# KiCad board B1_panel.kicad_pcb (continued)
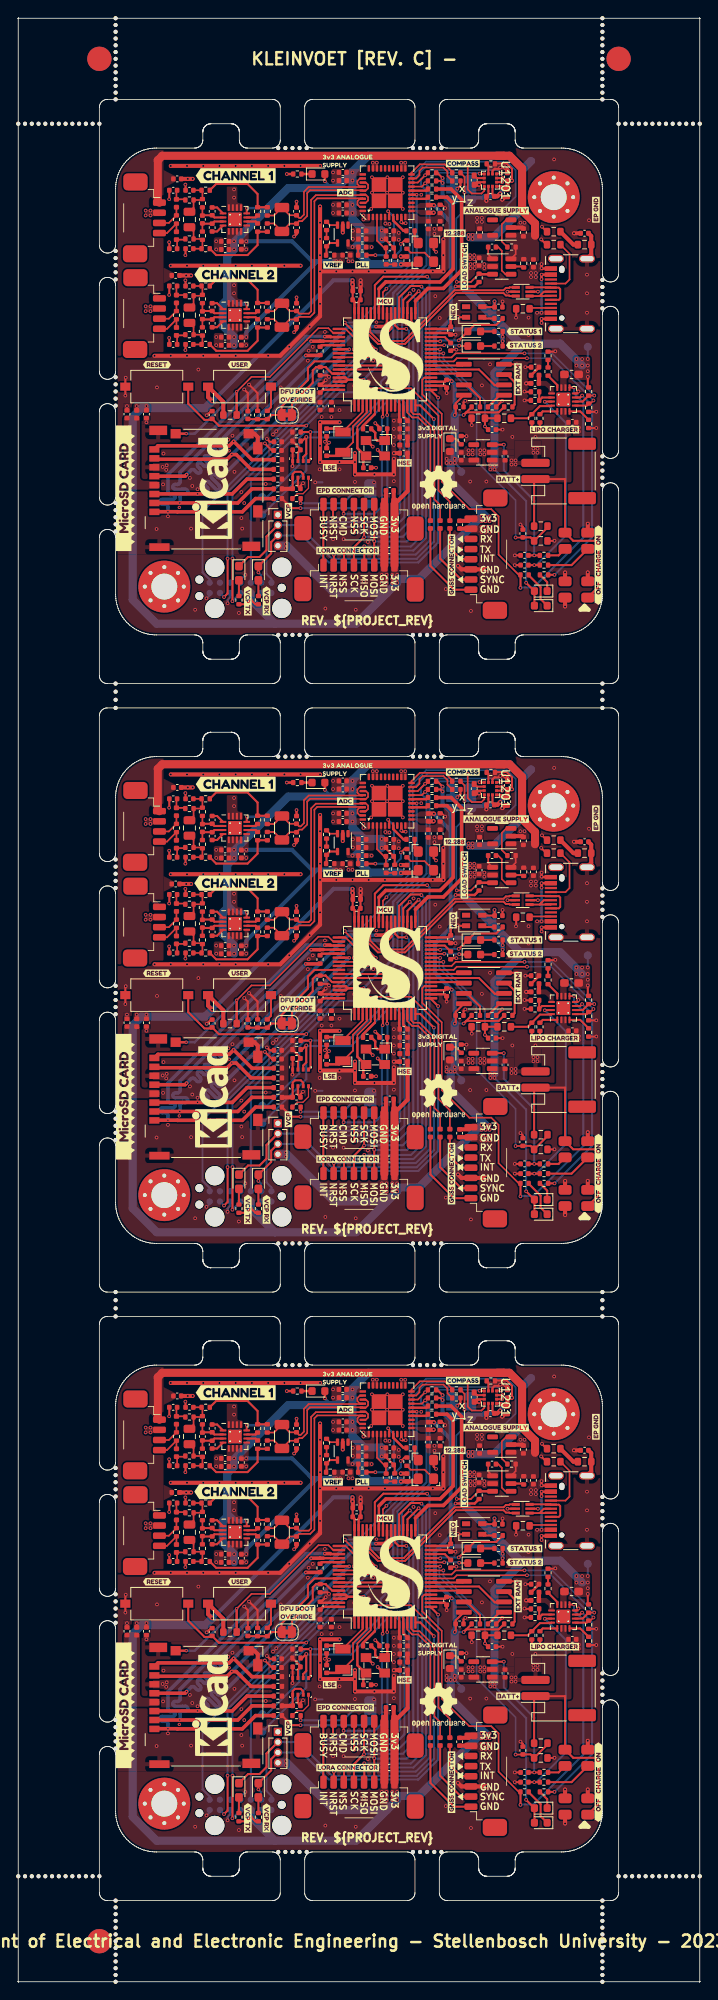
[diagram p0: board, top side]
## Placement (name value [footprint] x y rotation side) (continued)
J601#3  Sensor_conn  [Connector_Amphenol_10114828-xxx04LF_Vertical]  13 55.6 270 top
JP101  Boot_sel  [SolderJumper-2_P1.3mm_Bridged_RoundedPad1.0x1.5mm]  33.1 193.1 180 top
JP101#2  Boot_sel  [SolderJumper-2_P1.3mm_Bridged_RoundedPad1.0x1.5mm]  33.1 118.1 180 top
JP101#3  Boot_sel  [SolderJumper-2_P1.3mm_Bridged_RoundedPad1.0x1.5mm]  33.1 43.1 180 top
JP401  ADDR1  [SolderJumper-3_P1.3mm_Bridged12_RoundedPad1.0x1.5mm_NumberLabels]  55.7 70.9 270 bottom
JP401#2  ADDR1  [SolderJumper-3_P1.3mm_Bridged12_RoundedPad1.0x1.5mm_NumberLabels]  55.7 145.9 270 bottom
JP401#3  ADDR1  [SolderJumper-3_P1.3mm_Bridged12_RoundedPad1.0x1.5mm_NumberLabels]  55.7 220.9 270 bottom
JP402  ADDR0  [SolderJumper-3_P1.3mm_Bridged12_RoundedPad1.0x1.5mm_NumberLabels]  53.5 145.9 270 bottom
JP402#2  ADDR0  [SolderJumper-3_P1.3mm_Bridged12_RoundedPad1.0x1.5mm_NumberLabels]  53.5 70.9 270 bottom
JP402#3  ADDR0  [SolderJumper-3_P1.3mm_Bridged12_RoundedPad1.0x1.5mm_NumberLabels]  53.5 220.9 270 bottom
JP1401  ADDR0  [SolderJumper-3_P1.3mm_Bridged12_RoundedPad1.0x1.5mm_NumberLabels]  43.4 108.4 270 bottom
JP1401#2  ADDR0  [SolderJumper-3_P1.3mm_Bridged12_RoundedPad1.0x1.5mm_NumberLabels]  43.4 183.4 270 bottom
JP1401#3  ADDR0  [SolderJumper-3_P1.3mm_Bridged12_RoundedPad1.0x1.5mm_NumberLabels]  43.4 33.4 270 bottom
kibuzzard-644FCAF5  G***  [kibuzzard-644FCAF5]  13 34.07 90 top
kibuzzard-644FCAF5#2  G***  [kibuzzard-644FCAF5]  13 184.07 90 top
kibuzzard-644FCAF5#3  G***  [kibuzzard-644FCAF5]  13 109.07 90 top
kibuzzard-644FCBD8  G***  [kibuzzard-644FCBD8]  17.1 49.3 0 top
kibuzzard-644FCBD8#2  G***  [kibuzzard-644FCBD8]  17.1 199.3 0 top
kibuzzard-644FCBD8#3  G***  [kibuzzard-644FCBD8]  17.1 124.3 0 top
kibuzzard-644FCBE4  G***  [kibuzzard-644FCBE4]  27.3 124.3 0 top
kibuzzard-644FCBE4#2  G***  [kibuzzard-644FCBE4]  27.3 49.3 0 top
kibuzzard-644FCBE4#3  G***  [kibuzzard-644FCBE4]  27.3 199.3 0 top
kibuzzard-644FCC8B  G***  [kibuzzard-644FCC8B]  26.8 72.6 0 top
kibuzzard-644FCC8B#2  G***  [kibuzzard-644FCC8B]  26.8 222.6 0 top
kibuzzard-644FCC8B#3  G***  [kibuzzard-644FCC8B]  26.8 147.6 0 top
kibuzzard-644FCC84  G***  [kibuzzard-644FCC84]  26.8 135.4 0 top
kibuzzard-644FCC84#2  G***  [kibuzzard-644FCC84]  26.8 60.4 0 top
kibuzzard-644FCC84#3  G***  [kibuzzard-644FCC84]  26.8 210.4 0 top
kibuzzard-644FCCE7  G***  [kibuzzard-644FCCE7]  40.6 176.4 0 top
kibuzzard-644FCCE7#2  G***  [kibuzzard-644FCCE7]  40.6 26.4 0 top
kibuzzard-644FCCE7#3  G***  [kibuzzard-644FCCE7]  40.6 101.4 0 top
kibuzzard-644FCD06  G***  [kibuzzard-644FCD06]  40.3 183.8 0 top
kibuzzard-644FCD06#2  G***  [kibuzzard-644FCD06]  40.3 33.8 0 top
kibuzzard-644FCD06#3  G***  [kibuzzard-644FCD06]  40.3 108.8 0 top
kibuzzard-644FCD18  G***  [kibuzzard-644FCD18]  53.4 99.6 90 top
kibuzzard-644FCD18#2  G***  [kibuzzard-644FCD18]  53.4 174.6 90 top
kibuzzard-644FCD18#3  G***  [kibuzzard-644FCD18]  53.4 24.6 90 top
kibuzzard-644FCD41  G***  [kibuzzard-644FCD41]  34.4 195.5 0 top
kibuzzard-644FCD41#2  G***  [kibuzzard-644FCD41]  34.4 45.5 0 top
kibuzzard-644FCD41#3  G***  [kibuzzard-644FCD41]  34.4 120.5 0 top
kibuzzard-644FCF30  G***  [kibuzzard-644FCF30]  28.4 19.2 180 bottom
kibuzzard-644FCF30#2  G***  [kibuzzard-644FCF30]  28.4 94.2 180 bottom
kibuzzard-644FCF30#3  G***  [kibuzzard-644FCF30]  28.4 169.2 180 bottom
kibuzzard-644FCFAB  G***  [kibuzzard-644FCFAB]  54.6 224 180 bottom
kibuzzard-644FCFAB#2  G***  [kibuzzard-644FCFAB]  54.6 149 180 bottom
kibuzzard-644FCFAB#3  G***  [kibuzzard-644FCFAB]  54.6 74 180 bottom
kibuzzard-644FD0BF  G***  [kibuzzard-644FD0BF]  26.88 105.82 180 bottom
kibuzzard-644FD0BF#2  G***  [kibuzzard-644FD0BF]  26.88 30.82 180 bottom
kibuzzard-644FD0BF#3  G***  [kibuzzard-644FD0BF]  26.88 180.82 180 bottom
kibuzzard-644FD0EC  G***  [kibuzzard-644FD0EC]  26.95 32.97 180 bottom
kibuzzard-644FD0EC#2  G***  [kibuzzard-644FD0EC]  26.95 107.97 180 bottom
kibuzzard-644FD0EC#3  G***  [kibuzzard-644FD0EC]  26.95 182.97 180 bottom
kibuzzard-644FD1C9  G***  [kibuzzard-644FD1C9]  50.7 186.1 180 bottom
kibuzzard-644FD1C9#2  G***  [kibuzzard-644FD1C9]  50.7 36.1 180 bottom
kibuzzard-644FD1C9#3  G***  [kibuzzard-644FD1C9]  50.7 111.1 180 bottom
kibuzzard-644FD1E4  G***  [kibuzzard-644FD1E4]  58.6 225.1 180 bottom
kibuzzard-644FD1E4#2  G***  [kibuzzard-644FD1E4]  58.6 150.1 180 bottom
kibuzzard-644FD1E4#3  G***  [kibuzzard-644FD1E4]  58.6 75.1 180 bottom
kibuzzard-644FD2E5  G***  [kibuzzard-644FD2E5]  68.15 208.05 90 bottom
kibuzzard-644FD2E5#2  G***  [kibuzzard-644FD2E5]  68.15 58.05 90 bottom
kibuzzard-644FD2E5#3  G***  [kibuzzard-644FD2E5]  68.15 133.05 90 bottom
kibuzzard-644FD9A3  G***  [kibuzzard-644FD9A3]  53.6 55.8 90 top
kibuzzard-644FD9A3#2  G***  [kibuzzard-644FD9A3]  53.6 130.8 90 top
kibuzzard-644FD9A3#3  G***  [kibuzzard-644FD9A3]  53.6 205.8 90 top
kibuzzard-644FD9EF  G***  [kibuzzard-644FD9EF]  51.7 191 0 top
kibuzzard-644FD9EF#2  G***  [kibuzzard-644FD9EF]  51.7 116 0 top
kibuzzard-644FD9EF#3  G***  [kibuzzard-644FD9EF]  51.7 41 0 top
kibuzzard-644FD28D  G***  [kibuzzard-644FD28D]  70 111.3 90 bottom
kibuzzard-644FD28D#2  G***  [kibuzzard-644FD28D]  70 36.3 90 bottom
kibuzzard-644FD28D#3  G***  [kibuzzard-644FD28D]  70 186.3 90 bottom
kibuzzard-644FD32B  G***  [kibuzzard-644FD32B]  65.95 208.05 90 bottom
kibuzzard-644FD32B#2  G***  [kibuzzard-644FD32B]  65.95 58.05 90 bottom
kibuzzard-644FD32B#3  G***  [kibuzzard-644FD32B]  65.95 133.05 90 bottom
kibuzzard-644FD75C  G***  [kibuzzard-644FD75C]  64.6 174.6 180 bottom
kibuzzard-644FD75C#2  G***  [kibuzzard-644FD75C]  64.6 24.6 180 bottom
kibuzzard-644FD75C#3  G***  [kibuzzard-644FD75C]  64.6 99.6 180 bottom
kibuzzard-644FD84A  G***  [kibuzzard-644FD84A]  60.4 185.2 0 top
kibuzzard-644FD84A#2  G***  [kibuzzard-644FD84A]  60.4 110.2 0 top
kibuzzard-644FD84A#3  G***  [kibuzzard-644FD84A]  60.4 35.2 0 top
kibuzzard-644FD97C  G***  [kibuzzard-644FD97C]  62.4 51.7 0 top
kibuzzard-644FD97C#2  G***  [kibuzzard-644FD97C]  62.4 201.7 0 top
kibuzzard-644FD97C#3  G***  [kibuzzard-644FD97C]  62.4 126.7 0 top
kibuzzard-644FD164  G***  [kibuzzard-644FD164]  48.49 33.37 180 bottom
kibuzzard-644FD164#2  G***  [kibuzzard-644FD164]  48.49 108.37 180 bottom
kibuzzard-644FD164#3  G***  [kibuzzard-644FD164]  48.49 183.37 180 bottom
kibuzzard-644FD811  G***  [kibuzzard-644FD811]  71.5 24.6 90 top
kibuzzard-644FD811#2  G***  [kibuzzard-644FD811]  71.5 99.6 90 top
kibuzzard-644FD811#3  G***  [kibuzzard-644FD811]  71.5 174.6 90 top
kibuzzard-644FD964  G***  [kibuzzard-644FD964]  62.4 203.4 0 top
kibuzzard-644FD964#2  G***  [kibuzzard-644FD964]  62.4 128.4 0 top
kibuzzard-644FD964#3  G***  [kibuzzard-644FD964]  62.4 53.4 0 top
kibuzzard-644FDA17  G***  [kibuzzard-644FDA17]  40.6 224.4 0 top
kibuzzard-644FDA17#2  G***  [kibuzzard-644FDA17]  40.6 74.4 0 top
kibuzzard-644FDA17#3  G***  [kibuzzard-644FDA17]  40.6 149.4 0 top
kibuzzard-644FDE8C  G***  [kibuzzard-644FDE8C]  54.8 74.1 0 top
kibuzzard-644FDE8C#2  G***  [kibuzzard-644FDE8C]  54.8 149.1 0 top
kibuzzard-644FDE8C#3  G***  [kibuzzard-644FDE8C]  54.8 224.1 0 top
kibuzzard-644FDEA0  G***  [kibuzzard-644FDEA0]  40.3 145.5 0 top
kibuzzard-644FDEA0#2  G***  [kibuzzard-644FDEA0]  40.3 70.5 0 top
kibuzzard-644FDEA0#3  G***  [kibuzzard-644FDEA0]  40.3 220.5 0 top
kibuzzard-644FDEAE  G***  [kibuzzard-644FDEAE]  42.4 136.6 0 top
kibuzzard-644FDEAE#2  G***  [kibuzzard-644FDEAE]  42.4 211.6 0 top
kibuzzard-644FDEAE#3  G***  [kibuzzard-644FDEAE]  42.4 61.6 0 top
kibuzzard-644FDEBE  G***  [kibuzzard-644FDEBE]  38.8 136.6 0 top
kibuzzard-644FDEBE#2  G***  [kibuzzard-644FDEBE]  38.8 61.6 0 top
kibuzzard-644FDEBE#3  G***  [kibuzzard-644FDEBE]  38.8 211.6 0 top
kibuzzard-644FDED0  G***  [kibuzzard-644FDED0]  53.8 65.5 0 top
kibuzzard-644FDED0#2  G***  [kibuzzard-644FDED0]  53.8 140.5 0 top
kibuzzard-644FDED0#3  G***  [kibuzzard-644FDED0]  53.8 215.5 0 top
kibuzzard-644FDEDF  G***  [kibuzzard-644FDEDF]  58.9 143.3 0 top
kibuzzard-644FDEDF#2  G***  [kibuzzard-644FDEDF]  58.9 68.3 0 top
kibuzzard-644FDEDF#3  G***  [kibuzzard-644FDEDF]  58.9 218.3 0 top
kibuzzard-644FDEEE  G***  [kibuzzard-644FDEEE]  55 61.4 90 top
kibuzzard-644FDEEE#2  G***  [kibuzzard-644FDEEE]  55 136.4 90 top
kibuzzard-644FDEEE#3  G***  [kibuzzard-644FDEEE]  55 211.4 90 top
kibuzzard-644FDF3B  G***  [kibuzzard-644FDF3B]  66.1 41.3 0 top
kibuzzard-644FDF3B#2  G***  [kibuzzard-644FDF3B]  66.1 116.3 0 top
kibuzzard-644FDF3B#3  G***  [kibuzzard-644FDF3B]  66.1 191.3 0 top
kibuzzard-644FDF29  G***  [kibuzzard-644FDF29]  61.6 122.5 90 top
kibuzzard-644FDF29#2  G***  [kibuzzard-644FDF29]  61.6 197.5 90 top
kibuzzard-644FDF29#3  G***  [kibuzzard-644FDF29]  61.6 47.5 90 top
kibuzzard-644FDF72  G***  [kibuzzard-644FDF72]  33.3 106.3 90 top
kibuzzard-644FDF72#2  G***  [kibuzzard-644FDF72]  33.3 181.3 90 top
kibuzzard-644FDF72#3  G***  [kibuzzard-644FDF72]  33.3 31.3 90 top
kibuzzard-644FDF97  G***  [kibuzzard-644FDF97]  45.2 57.1 0 top
kibuzzard-644FDF97#2  G***  [kibuzzard-644FDF97]  45.2 207.1 0 top
kibuzzard-644FDF97#3  G***  [kibuzzard-644FDF97]  45.2 132.1 0 top
kibuzzard-644FDFE0  G***  [kibuzzard-644FDFE0]  38.4 36.6 0 top
kibuzzard-644FDFE0#2  G***  [kibuzzard-644FDFE0]  38.4 186.6 0 top
kibuzzard-644FDFE0#3  G***  [kibuzzard-644FDFE0]  38.4 111.6 0 top
kibuzzard-644FDFE9  G***  [kibuzzard-644FDFE9]  47.6 112.2 0 top
kibuzzard-644FDFE9#2  G***  [kibuzzard-644FDFE9]  47.6 37.2 0 top
kibuzzard-644FDFE9#3  G***  [kibuzzard-644FDFE9]  47.6 187.2 0 top
kibuzzard-64589A68  G***  [kibuzzard-64589A68]  14.6 217.5 90 bottom
kibuzzard-64589A68#2  G***  [kibuzzard-64589A68]  14.6 142.5 90 bottom
kibuzzard-64589A68#3  G***  [kibuzzard-64589A68]  14.6 67.5 90 bottom
kibuzzard-645892E6  G***  [kibuzzard-645892E6]  71.2 143.4 90 top
kibuzzard-645892E6#2  G***  [kibuzzard-645892E6]  71.2 218.4 90 top
kibuzzard-645892E6#3  G***  [kibuzzard-645892E6]  71.2 68.4 90 top
kibuzzard-645892E6#4  G***  [kibuzzard-645892E6]  71.2 218.4 90 bottom
kibuzzard-645892E6#5  G***  [kibuzzard-645892E6]  71.2 68.4 90 bottom
kibuzzard-645892E6#6  G***  [kibuzzard-645892E6]  71.2 143.4 90 bottom
kibuzzard-645893FC  G***  [kibuzzard-645893FC]  30.6 20.2 270 top
kibuzzard-645893FC#2  G***  [kibuzzard-645893FC]  30.6 95.2 270 top
kibuzzard-645893FC#3  G***  [kibuzzard-645893FC]  30.6 170.2 270 top
kibuzzard-6458936C  G***  [kibuzzard-6458936C]  55.7 67.8 90 bottom
kibuzzard-6458936C#2  G***  [kibuzzard-6458936C]  55.7 142.8 90 bottom
kibuzzard-6458936C#3  G***  [kibuzzard-6458936C]  55.7 217.8 90 bottom
kibuzzard-6458938C  G***  [kibuzzard-6458938C]  28.4 18 180 bottom
kibuzzard-6458938C#2  G***  [kibuzzard-6458938C]  28.4 93 180 bottom
kibuzzard-6458938C#3  G***  [kibuzzard-6458938C]  28.4 168 180 bottom
kibuzzard-6458940B  G***  [kibuzzard-6458940B]  28.3 170.2 270 top
kibuzzard-6458940B#2  G***  [kibuzzard-6458940B]  28.3 95.2 270 top
kibuzzard-6458940B#3  G***  [kibuzzard-6458940B]  28.3 20.2 270 top
kibuzzard-64589363  G***  [kibuzzard-64589363]  53.55 142.7 90 bottom
kibuzzard-64589363#2  G***  [kibuzzard-64589363]  53.55 67.7 90 bottom
kibuzzard-64589363#3  G***  [kibuzzard-64589363]  53.55 217.7 90 bottom
NOREF  LOGO  [SU-Emblem]  46.26 125.02 0 top
NOREF#2  -  [OSHW-Logo2_7.3x6mm_SilkScreen]  51.8 109.1 0 top
NOREF#3  LOGO  [SU-Emblem]  46.26 200.02 0 top
NOREF#4  -  [OSHW-Logo2_7.3x6mm_SilkScreen]  51.8 34.1 0 top
NOREF#5  LOGO  [SU-Emblem]  46.26 50.02 0 top
NOREF#6  -  [OSHW-Logo2_7.3x6mm_SilkScreen]  51.8 184.1 0 top
R1  PH/DNP  [R_0402_1005Metric]  29.5 118.1 270 top
R1#2  PH/DNP  [R_0402_1005Metric]  29.5 43.1 270 top
R1#3  PH/DNP  [R_0402_1005Metric]  29.5 193.1 270 top
R101  10k  [R_0402_1005Metric]  37.21 198.5 270 top
R101#2  10k  [R_0402_1005Metric]  37.21 123.5 270 top
R101#3  10k  [R_0402_1005Metric]  37.21 48.5 270 top
R102  2.2k  [R_0402_1005Metric]  29.6 170.28 90 top
R102#2  2.2k  [R_0402_1005Metric]  29.6 20.28 90 top
R102#3  2.2k  [R_0402_1005Metric]  29.6 95.28 90 top
R103  2.2k  [R_0402_1005Metric]  27.2 170.28 90 top
R103#2  2.2k  [R_0402_1005Metric]  27.2 20.28 90 top
R103#3  2.2k  [R_0402_1005Metric]  27.2 95.28 90 top
R104  360E  [R_0402_1005Metric]  59.2 205 0 top
R104#2  360E  [R_0402_1005Metric]  59.2 55 0 top
R104#3  360E  [R_0402_1005Metric]  59.2 130 0 top
R105  2.2k  [R_0402_1005Metric]  59.2 128.4 0 top
R105#2  2.2k  [R_0402_1005Metric]  59.2 53.4 0 top
R105#3  2.2k  [R_0402_1005Metric]  59.2 203.4 0 top
R106  47E  [R_0402_1005Metric]  43 116.4 180 top
R106#2  47E  [R_0402_1005Metric]  43 41.4 180 top
R106#3  47E  [R_0402_1005Metric]  43 191.4 180 top
R107  2.2k  [R_0402_1005Metric]  59.2 51.6 0 top
R107#2  2.2k  [R_0402_1005Metric]  59.2 126.6 0 top
R107#3  2.2k  [R_0402_1005Metric]  59.2 201.6 0 top
R108  1k  [R_0402_1005Metric]  30.7 43.1 90 top
R108#2  1k  [R_0402_1005Metric]  30.7 118.1 90 top
R108#3  1k  [R_0402_1005Metric]  30.7 193.1 90 top
R201  10k  [R_0402_1005Metric]  32 107.8 0 top
R201#2  10k  [R_0402_1005Metric]  32 182.8 0 top
R201#3  10k  [R_0402_1005Metric]  32 32.8 0 top
R202  10k  [R_0402_1005Metric]  32 109 0 top
R202#2  10k  [R_0402_1005Metric]  32 184 0 top
R202#3  10k  [R_0402_1005Metric]  32 34 0 top
R203  10k  [R_0402_1005Metric]  32 35.2 0 top
R203#2  10k  [R_0402_1005Metric]  32 185.2 0 top
R203#3  10k  [R_0402_1005Metric]  32 110.2 0 top
R204  10k  [R_0402_1005Metric]  32 186.4 0 top
R204#2  10k  [R_0402_1005Metric]  32 111.4 0 top
R204#3  10k  [R_0402_1005Metric]  32 36.4 0 top
R205  10k  [R_0402_1005Metric]  32 37.6 0 top
R205#2  10k  [R_0402_1005Metric]  32 187.6 0 top
R205#3  10k  [R_0402_1005Metric]  32 112.6 0 top
R206  470k  [R_0603_1608Metric]  26.1 43.1 0 top
R206#2  470k  [R_0603_1608Metric]  26.1 118.1 0 top
R206#3  470k  [R_0603_1608Metric]  26.1 193.1 0 top
R207  14.7E  [R_0402_1005Metric]  37.2 126 90 top
R207#2  14.7E  [R_0402_1005Metric]  37.2 51 90 top
R207#3  14.7E  [R_0402_1005Metric]  37.2 201 90 top
R208  5.1k  [R_0603_1608Metric]  66 64.1 0 top
R208#2  5.1k  [R_0603_1608Metric]  66 139.1 0 top
R208#3  5.1k  [R_0603_1608Metric]  66 214.1 0 top
R209  5.1k  [R_0603_1608Metric]  62.2 56.2 0 top
R209#2  5.1k  [R_0603_1608Metric]  62.2 206.2 0 top
R209#3  5.1k  [R_0603_1608Metric]  62.2 131.2 0 top
R210  470k  [R_0603_1608Metric]  66 215.7 0 top
R210#2  470k  [R_0603_1608Metric]  66 140.7 0 top
R210#3  470k  [R_0603_1608Metric]  66 65.7 0 top
R211  470k  [R_0603_1608Metric]  69.8 214.1 0 top
R211#2  470k  [R_0603_1608Metric]  69.8 139.1 0 top
R211#3  470k  [R_0603_1608Metric]  69.8 64.1 0 top
R401  10k  [R_0402_1005Metric]  38 216.4 90 top
R401#2  10k  [R_0402_1005Metric]  38 141.4 90 top
R401#3  10k  [R_0402_1005Metric]  38 66.4 90 top
R402  10k  [R_0402_1005Metric]  38 214.4 90 top
R402#2  10k  [R_0402_1005Metric]  38 64.4 90 top
R402#3  10k  [R_0402_1005Metric]  38 139.4 90 top
R403  2.2k  [R_0402_1005Metric]  52 143.5 90 top
R403#2  2.2k  [R_0402_1005Metric]  52 68.5 90 top
R403#3  2.2k  [R_0402_1005Metric]  52 218.5 90 top
R404  100k  [R_0402_1005Metric]  47.9 64.1 270 top
R404#2  100k  [R_0402_1005Metric]  47.9 214.1 270 top
R404#3  100k  [R_0402_1005Metric]  47.9 139.1 270 top
R405  14.7E  [R_0402_1005Metric]  48.35 140.8 0 top
R405#2  14.7E  [R_0402_1005Metric]  48.35 65.8 0 top
R405#3  14.7E  [R_0402_1005Metric]  48.35 215.8 0 top
R406  47E  [R_0402_1005Metric]  38.45 137.8 180 top
R406#2  47E  [R_0402_1005Metric]  38.45 62.8 180 top
R406#3  47E  [R_0402_1005Metric]  38.45 212.8 180 top
R407  100k  [R_0402_1005Metric]  54 146.95 0 top
R407#2  100k  [R_0402_1005Metric]  54 71.95 0 top
R407#3  100k  [R_0402_1005Metric]  54 221.95 0 top
R408  100k  [R_0402_1005Metric]  54 147.95 0 top
R408#2  100k  [R_0402_1005Metric]  54 72.95 0 top
R408#3  100k  [R_0402_1005Metric]  54 222.95 0 top
R409  14.7E  [R_0402_1005Metric]  51 145.95 180 top
R409#2  14.7E  [R_0402_1005Metric]  51 70.95 180 top
R409#3  14.7E  [R_0402_1005Metric]  51 220.95 180 top
R410  10k  [R_0402_1005Metric]  51 147.95 0 top
R410#2  10k  [R_0402_1005Metric]  51 72.95 0 top
R410#3  10k  [R_0402_1005Metric]  51 222.95 0 top
R411  14.7E  [R_0402_1005Metric]  51 144.95 180 top
R411#2  14.7E  [R_0402_1005Metric]  51 69.95 180 top
R411#3  14.7E  [R_0402_1005Metric]  51 219.95 180 top
R412  10k  [R_0402_1005Metric]  51 221.95 0 top
R412#2  10k  [R_0402_1005Metric]  51 146.95 0 top
R412#3  10k  [R_0402_1005Metric]  51 71.95 0 top
R413  100k  [R_0402_1005Metric]  42.4 212.8 180 top
R413#2  100k  [R_0402_1005Metric]  42.4 62.8 180 top
R413#3  100k  [R_0402_1005Metric]  42.4 137.8 180 top
R414  1k  [R_0402_1005Metric]  46.4 212.15 90 top
R414#2  1k  [R_0402_1005Metric]  46.4 137.15 90 top
R414#3  1k  [R_0402_1005Metric]  46.4 62.15 90 top
R501  PH/DNP  [R_0402_1005Metric]  19.5 217.2 270 top
R501#2  PH/DNP  [R_0402_1005Metric]  19.5 67.2 270 top
R501#3  PH/DNP  [R_0402_1005Metric]  19.5 142.2 270 top
R601  PH/DNP  [R_0402_1005Metric]  19.5 205.4 270 top
R601#2  PH/DNP  [R_0402_1005Metric]  19.5 130.4 270 top
R601#3  PH/DNP  [R_0402_1005Metric]  19.5 55.4 270 top
R701  310E  [R_0402_1005Metric]  21.1 64.8 180 top
R701#2  310E  [R_0402_1005Metric]  21.1 139.8 180 top
R701#3  310E  [R_0402_1005Metric]  21.1 214.8 180 top
R702  310E  [R_0402_1005Metric]  21.1 219.6 180 top
R702#2  310E  [R_0402_1005Metric]  21.1 144.6 180 top
R702#3  310E  [R_0402_1005Metric]  21.1 69.6 180 top
R703  330E  [R_0402_1005Metric]  22.7 65.2 270 top
R703#2  330E  [R_0402_1005Metric]  22.7 140.2 270 top
R703#3  330E  [R_0402_1005Metric]  22.7 215.2 270 top
R704  330E  [R_0402_1005Metric]  22.7 219.2 90 top
R704#2  330E  [R_0402_1005Metric]  22.7 144.2 90 top
R704#3  330E  [R_0402_1005Metric]  22.7 69.2 90 top
R705  360E  [R_0402_1005Metric]  23.1 63.6 180 top
R705#2  360E  [R_0402_1005Metric]  23.1 213.6 180 top
R705#3  360E  [R_0402_1005Metric]  23.1 138.6 180 top
R706  360E  [R_0402_1005Metric]  23.1 70.8 180 top
R706#2  360E  [R_0402_1005Metric]  23.1 220.8 180 top
R706#3  360E  [R_0402_1005Metric]  23.1 145.8 180 top
R707  14.7E  [R_0402_1005Metric]  29.5 66.2 90 top
R707#2  14.7E  [R_0402_1005Metric]  29.5 141.2 90 top
R707#3  14.7E  [R_0402_1005Metric]  29.5 216.2 90 top
R708  14.7E  [R_0402_1005Metric]  29.5 218.2 270 top
R708#2  14.7E  [R_0402_1005Metric]  29.5 143.2 270 top
R708#3  14.7E  [R_0402_1005Metric]  29.5 68.2 270 top
R709  47E  [R_0402_1005Metric]  30.7 66.2 270 top
R709#2  47E  [R_0402_1005Metric]  30.7 216.2 270 top
R709#3  47E  [R_0402_1005Metric]  30.7 141.2 270 top
R710  47E  [R_0402_1005Metric]  30.7 218.2 90 top
R710#2  47E  [R_0402_1005Metric]  30.7 68.2 90 top
R710#3  47E  [R_0402_1005Metric]  30.7 143.2 90 top
R801  310E  [R_0402_1005Metric]  21.1 128 180 top
R801#2  310E  [R_0402_1005Metric]  21.1 203 180 top
R801#3  310E  [R_0402_1005Metric]  21.1 53 180 top
R802  310E  [R_0402_1005Metric]  21.1 207.8 180 top
R802#2  310E  [R_0402_1005Metric]  21.1 132.8 180 top
R802#3  310E  [R_0402_1005Metric]  21.1 57.8 180 top
R803  330E  [R_0402_1005Metric]  22.7 128.4 270 top
R803#2  330E  [R_0402_1005Metric]  22.7 203.4 270 top
R803#3  330E  [R_0402_1005Metric]  22.7 53.4 270 top
R804  330E  [R_0402_1005Metric]  22.7 132.4 90 top
R804#2  330E  [R_0402_1005Metric]  22.7 207.4 90 top
R804#3  330E  [R_0402_1005Metric]  22.7 57.4 90 top
R805  360E  [R_0402_1005Metric]  23.1 51.8 180 top
R805#2  360E  [R_0402_1005Metric]  23.1 126.8 180 top
R805#3  360E  [R_0402_1005Metric]  23.1 201.8 180 top
R806  360E  [R_0402_1005Metric]  23.1 134 180 top
R806#2  360E  [R_0402_1005Metric]  23.1 59 180 top
R806#3  360E  [R_0402_1005Metric]  23.1 209 180 top
R807  14.7E  [R_0402_1005Metric]  29.5 54.4 90 top
R807#2  14.7E  [R_0402_1005Metric]  29.5 204.4 90 top
R807#3  14.7E  [R_0402_1005Metric]  29.5 129.4 90 top
R808  14.7E  [R_0402_1005Metric]  29.5 56.4 270 top
R808#2  14.7E  [R_0402_1005Metric]  29.5 206.4 270 top
R808#3  14.7E  [R_0402_1005Metric]  29.5 131.4 270 top
R809  47E  [R_0402_1005Metric]  30.7 129.4 270 top
R809#2  47E  [R_0402_1005Metric]  30.7 204.4 270 top
R809#3  47E  [R_0402_1005Metric]  30.7 54.4 270 top
R810  47E  [R_0402_1005Metric]  30.7 206.4 90 top
R810#2  47E  [R_0402_1005Metric]  30.7 131.4 90 top
R810#3  47E  [R_0402_1005Metric]  30.7 56.4 90 top
R901  1k  [R_0402_1005Metric]  63.3 42.69 270 top
R901#2  1k  [R_0402_1005Metric]  63.3 117.69 270 top
R901#3  1k  [R_0402_1005Metric]  63.3 192.69 270 top
R902  310E  [R_0402_1005Metric]  65.3 48.45 90 top
R902#2  310E  [R_0402_1005Metric]  65.3 198.45 90 top
R902#3  310E  [R_0402_1005Metric]  65.3 123.45 90 top
R903  1k  [R_0402_1005Metric]  65.3 50.4 90 top
R903#2  1k  [R_0402_1005Metric]  65.3 125.4 90 top
R903#3  1k  [R_0402_1005Metric]  65.3 200.4 90 top
R904  100k  [R_0402_1005Metric]  63.7 120.96 180 top
R904#2  100k  [R_0402_1005Metric]  63.7 45.96 180 top
R904#3  100k  [R_0402_1005Metric]  63.7 195.96 180 top
R905  2.2k  [R_0402_1005Metric]  64.81 98.4 180 top
R905#2  2.2k  [R_0402_1005Metric]  64.81 173.4 180 top
R905#3  2.2k  [R_0402_1005Metric]  64.81 23.4 180 top
R906  100k  [R_0402_1005Metric]  63.7 44.9 180 top
R906#2  100k  [R_0402_1005Metric]  63.7 194.9 180 top
R906#3  100k  [R_0402_1005Metric]  63.7 119.9 180 top
R907  100k  [R_0402_1005Metric]  70.3 42 270 top
R907#2  100k  [R_0402_1005Metric]  70.3 192 270 top
R907#3  100k  [R_0402_1005Metric]  70.3 117 270 top
R908  2.2k  [R_0402_1005Metric]  62.41 98.4 0 top
R908#2  2.2k  [R_0402_1005Metric]  62.41 23.4 0 top
R908#3  2.2k  [R_0402_1005Metric]  62.41 173.4 0 top
R909  10k  [R_0402_1005Metric]  64.3 42.69 270 top
R909#2  10k  [R_0402_1005Metric]  64.3 192.69 270 top
R909#3  10k  [R_0402_1005Metric]  64.3 117.69 270 top
R910  100k  [R_0402_1005Metric]  64.8 174.6 180 top
R910#2  100k  [R_0402_1005Metric]  64.8 24.6 180 top
R910#3  100k  [R_0402_1005Metric]  64.8 99.6 180 top
R911  100k  [R_0402_1005Metric]  64.8 100.8 0 top
R911#2  100k  [R_0402_1005Metric]  64.8 175.8 0 top
R911#3  100k  [R_0402_1005Metric]  64.8 25.8 0 top
R912  100k  [R_0402_1005Metric]  70.3 196 90 top
R912#2  100k  [R_0402_1005Metric]  70.3 46 90 top
R912#3  100k  [R_0402_1005Metric]  70.3 121 90 top
R913  470k  [R_0603_1608Metric]  64.41 104.4 0 top
R913#2  470k  [R_0603_1608Metric]  64.41 29.4 0 top
R913#3  470k  [R_0603_1608Metric]  64.41 179.4 0 top
R914  470k  [R_0603_1608Metric]  64.41 27.59 0 top
R914#2  470k  [R_0603_1608Metric]  64.41 177.59 0 top
R914#3  470k  [R_0603_1608Metric]  64.41 102.59 0 top
R915  470k  [R_0603_1608Metric]  59.9 42.7 180 top
R915#2  470k  [R_0603_1608Metric]  59.9 192.7 180 top
R915#3  470k  [R_0603_1608Metric]  59.9 117.7 180 top
R916  470k  [R_0603_1608Metric]  56.7 117.7 180 top
R916#2  470k  [R_0603_1608Metric]  56.7 192.7 180 top
R916#3  470k  [R_0603_1608Metric]  56.7 42.7 180 top
R917  100k  [R_0402_1005Metric]  70.3 119 270 top
R917#2  100k  [R_0402_1005Metric]  70.3 44 270 top
R917#3  100k  [R_0402_1005Metric]  70.3 194 270 top
R918  2.2k  [R_0402_1005Metric]  34.4 72.8 0 top
R918#2  2.2k  [R_0402_1005Metric]  34.4 147.8 0 top
R918#3  2.2k  [R_0402_1005Metric]  34.4 222.8 0 top
R919  2.2k  [R_0402_1005Metric]  54.6 40 270 top
R919#2  2.2k  [R_0402_1005Metric]  54.6 115 270 top
R919#3  2.2k  [R_0402_1005Metric]  54.6 190 270 top
R920  100k  [R_0402_1005Metric]  56.8 60 270 top
R920#2  100k  [R_0402_1005Metric]  56.8 135 270 top
R920#3  100k  [R_0402_1005Metric]  56.8 210 270 top
R921  100k  [R_0402_1005Metric]  60.8 213.8 0 top
R921#2  100k  [R_0402_1005Metric]  60.8 63.8 0 top
R921#3  100k  [R_0402_1005Metric]  60.8 138.8 0 top
R922  PH/DNP  [R_0402_1005Metric]  62.3 136.8 90 top
R922#2  PH/DNP  [R_0402_1005Metric]  62.3 61.8 90 top
R922#3  PH/DNP  [R_0402_1005Metric]  62.3 211.8 90 top
R1201  10k  [R_0402_1005Metric]  58.25 224.05 180 top
R1201#2  10k  [R_0402_1005Metric]  58.25 149.05 180 top
R1201#3  10k  [R_0402_1005Metric]  58.25 74.05 180 top
R1301  100k  [R_0402_1005Metric]  60.4 194.1 0 top
R1301#2  100k  [R_0402_1005Metric]  60.4 119.1 0 top
R1301#3  100k  [R_0402_1005Metric]  60.4 44.1 0 top
R1302  100k  [R_0402_1005Metric]  56.4 44.1 0 top
R1302#2  100k  [R_0402_1005Metric]  56.4 119.1 0 top
R1302#3  100k  [R_0402_1005Metric]  56.4 194.1 0 top
R1303  100k  [R_0402_1005Metric]  58.4 194.1 0 top
R1303#2  100k  [R_0402_1005Metric]  58.4 119.1 0 top
R1303#3  100k  [R_0402_1005Metric]  58.4 44.1 0 top
R1401  10k  [R_0402_1005Metric]  34.3 114.9 180 top
R1401#2  10k  [R_0402_1005Metric]  34.3 39.9 180 top
R1401#3  10k  [R_0402_1005Metric]  34.3 189.9 180 top
R1402  10k  [R_0402_1005Metric]  34.3 116 180 top
R1402#2  10k  [R_0402_1005Metric]  34.3 191 180 top
R1402#3  10k  [R_0402_1005Metric]  34.3 41 180 top
R1403  100k  [R_0402_1005Metric]  34.3 107.8 0 top
R1403#2  100k  [R_0402_1005Metric]  34.3 182.8 0 top
R1403#3  100k  [R_0402_1005Metric]  34.3 32.8 0 top
REF**  -  [NPTH]  83.17 13 0 top
REF**#2  -  [NPTH]  12 241.17 0 top
REF**#3  -  [Fiducial]  10 237 0 top
REF**#4  -  [NPTH]  12 234.5 0 top
REF**#5  -  [NPTH]  35.55 166 0 top
REF**#6  -  [NPTH]  72 112.13 0 top
REF**#7  -  [NPTH]  5 229 0 top
REF**#8  -  [NPTH]  72 233.67 0 top
REF**#9  -  [NPTH]  12 213.31 0 top
REF**#10  -  [NPTH]  35.55 151 0 top
REF**#11  -  [NPTH]  32.92 151 0 top
REF**#12  -  [NPTH]  35.55 76 0 top
REF**#13  -  [NPTH]  72 132.12 0 top
REF**#14  -  [NPTH]  12 2.5 0 top
REF**#15  -  [NPTH]  12 239.5 0 top
REF**#16  -  [NPTH]  74.83 229 0 top
REF**#17  -  [NPTH]  12 10 0 top
REF**#18  -  [NPTH]  12 29.62 0 top
REF**#19  -  [NPTH]  72 237 0 top
REF**#20  -  [NPTH]  5.83 229 0 top
REF**#21  -  [NPTH]  72 2.5 0 top
REF**#22  -  [NPTH]  72 206.25 0 top
REF**#23  -  [NPTH]  12 194.25 0 top
REF**#24  -  [NPTH]  0.83 229 0 top
REF**#25  -  [NPTH]  34.68 76 0 top
REF**#26  -  [NPTH]  72 232.83 0 top
REF**#27  -  [NPTH]  12 83 0 top
REF**#28  -  [NPTH]  32.05 91 0 top
REF**#29  -  [NPTH]  34.68 151 0 top
REF**#30  -  [NPTH]  12 60.69 0 top
REF**#31  -  [NPTH]  72 186.25 0 top
REF**#32  -  [NPTH]  72 109.5 0 top
REF**#33  -  [NPTH]  72 1.67 0 top
REF**#34  -  [NPTH]  12 45.12 0 top
REF**#35  -  [NPTH]  50.4 16 0 top
REF**#36  -  [NPTH]  72 159 0 top
REF**#37  -  [NPTH]  3.33 13 0 top
REF**#38  -  [NPTH]  72 5.83 0 top
REF**#39  -  [NPTH]  33.8 76 0 top
REF**#40  -  [NPTH]  72 185.37 0 top
REF**#41  -  [NPTH]  79.83 13 0 top
REF**#42  -  [NPTH]  12 138.31 0 top
REF**#43  -  [NPTH]  74.83 13 0 top
REF**#44  -  [NPTH]  72 7.5 0 top
REF**#45  -  [NPTH]  79 13 0 top
REF**#46  -  [NPTH]  1.67 13 0 top
REF**#47  -  [NPTH]  50.4 76 0 top
REF**#48  -  [NPTH]  50.4 226 0 top
REF**#49  -  [NPTH]  12 179.62 0 top
REF**#50  -  [NPTH]  51.28 166 0 top
REF**#51  -  [NPTH]  72 34.5 0 top
REF**#52  -  [NPTH]  84 13 0 top
REF**#53  -  [NPTH]  33.8 91 0 top
REF**#54  -  [NPTH]  72 58 0 top
REF**#55  -  [NPTH]  6.67 229 0 top
REF**#56  -  [NPTH]  72 240.33 0 top
REF**#57  -  [NPTH]  72 238.67 0 top
REF**#58  -  [NPTH]  72 158 0 top
REF**#59  -  [NPTH]  12 63.31 0 top
REF**#60  -  [NPTH]  75.67 13 0 top
REF**#61  -  [NPTH]  72 188 0 top
REF**#62  -  [NPTH]  12 119.25 0 top
REF**#63  -  [NPTH]  72 8.33 0 top
REF**#64  -  [NPTH]  12 232.83 0 top
REF**#65  -  [NPTH]  72 0 0 top
REF**#66  -  [NPTH]  72 56.25 0 top
REF**#67  -  [NPTH]  49.52 166 0 top
REF**#68  -  [NPTH]  12 61.56 0 top
REF**#69  -  [NPTH]  32.92 76 0 top
REF**#70  -  [NPTH]  78.17 13 0 top
REF**#71  -  [NPTH]  12 5.83 0 top
REF**#72  -  [NPTH]  72 35.37 0 top
REF**#73  -  [NPTH]  72 237.83 0 top
REF**#74  -  [NPTH]  35.55 226 0 top
REF**#75  -  [NPTH]  50.4 151 0 top
REF**#76  -  [NPTH]  32.92 16 0 top
REF**#77  -  [NPTH]  4.17 229 0 top
REF**#78  -  [NPTH]  12 232 0 top
REF**#79  -  [NPTH]  49.52 151 0 top
REF**#80  -  [NPTH]  12 157 0 top
REF**#81  -  [NPTH]  12 107.25 0 top
REF**#82  -  [NPTH]  72 38 0 top
REF**#83  -  [NPTH]  33.8 226 0 top
REF**#84  -  [NPTH]  72 5 0 top
REF**#85  -  [NPTH]  12 196.88 0 top
REF**#86  -  [NPTH]  72 9.17 0 top
REF**#87  -  [NPTH]  12 210.69 0 top
REF**#88  -  [NPTH]  72 83 0 top
REF**#89  -  [NPTH]  0 13 0 top
REF**#90  -  [NPTH]  72 239.5 0 top
REF**#91  -  [NPTH]  12 122.75 0 top
REF**#92  -  [NPTH]  49.52 226 0 top
REF**#93  -  [NPTH]  34.68 166 0 top
REF**#94  -  [NPTH]  12 82 0 top
